# Altium PCB HIVE_BOARD_PCB ASCII REV Project_PCB_Rev.Project_SCH_Rev.PcbDoc (part 5 of 9) (continued)
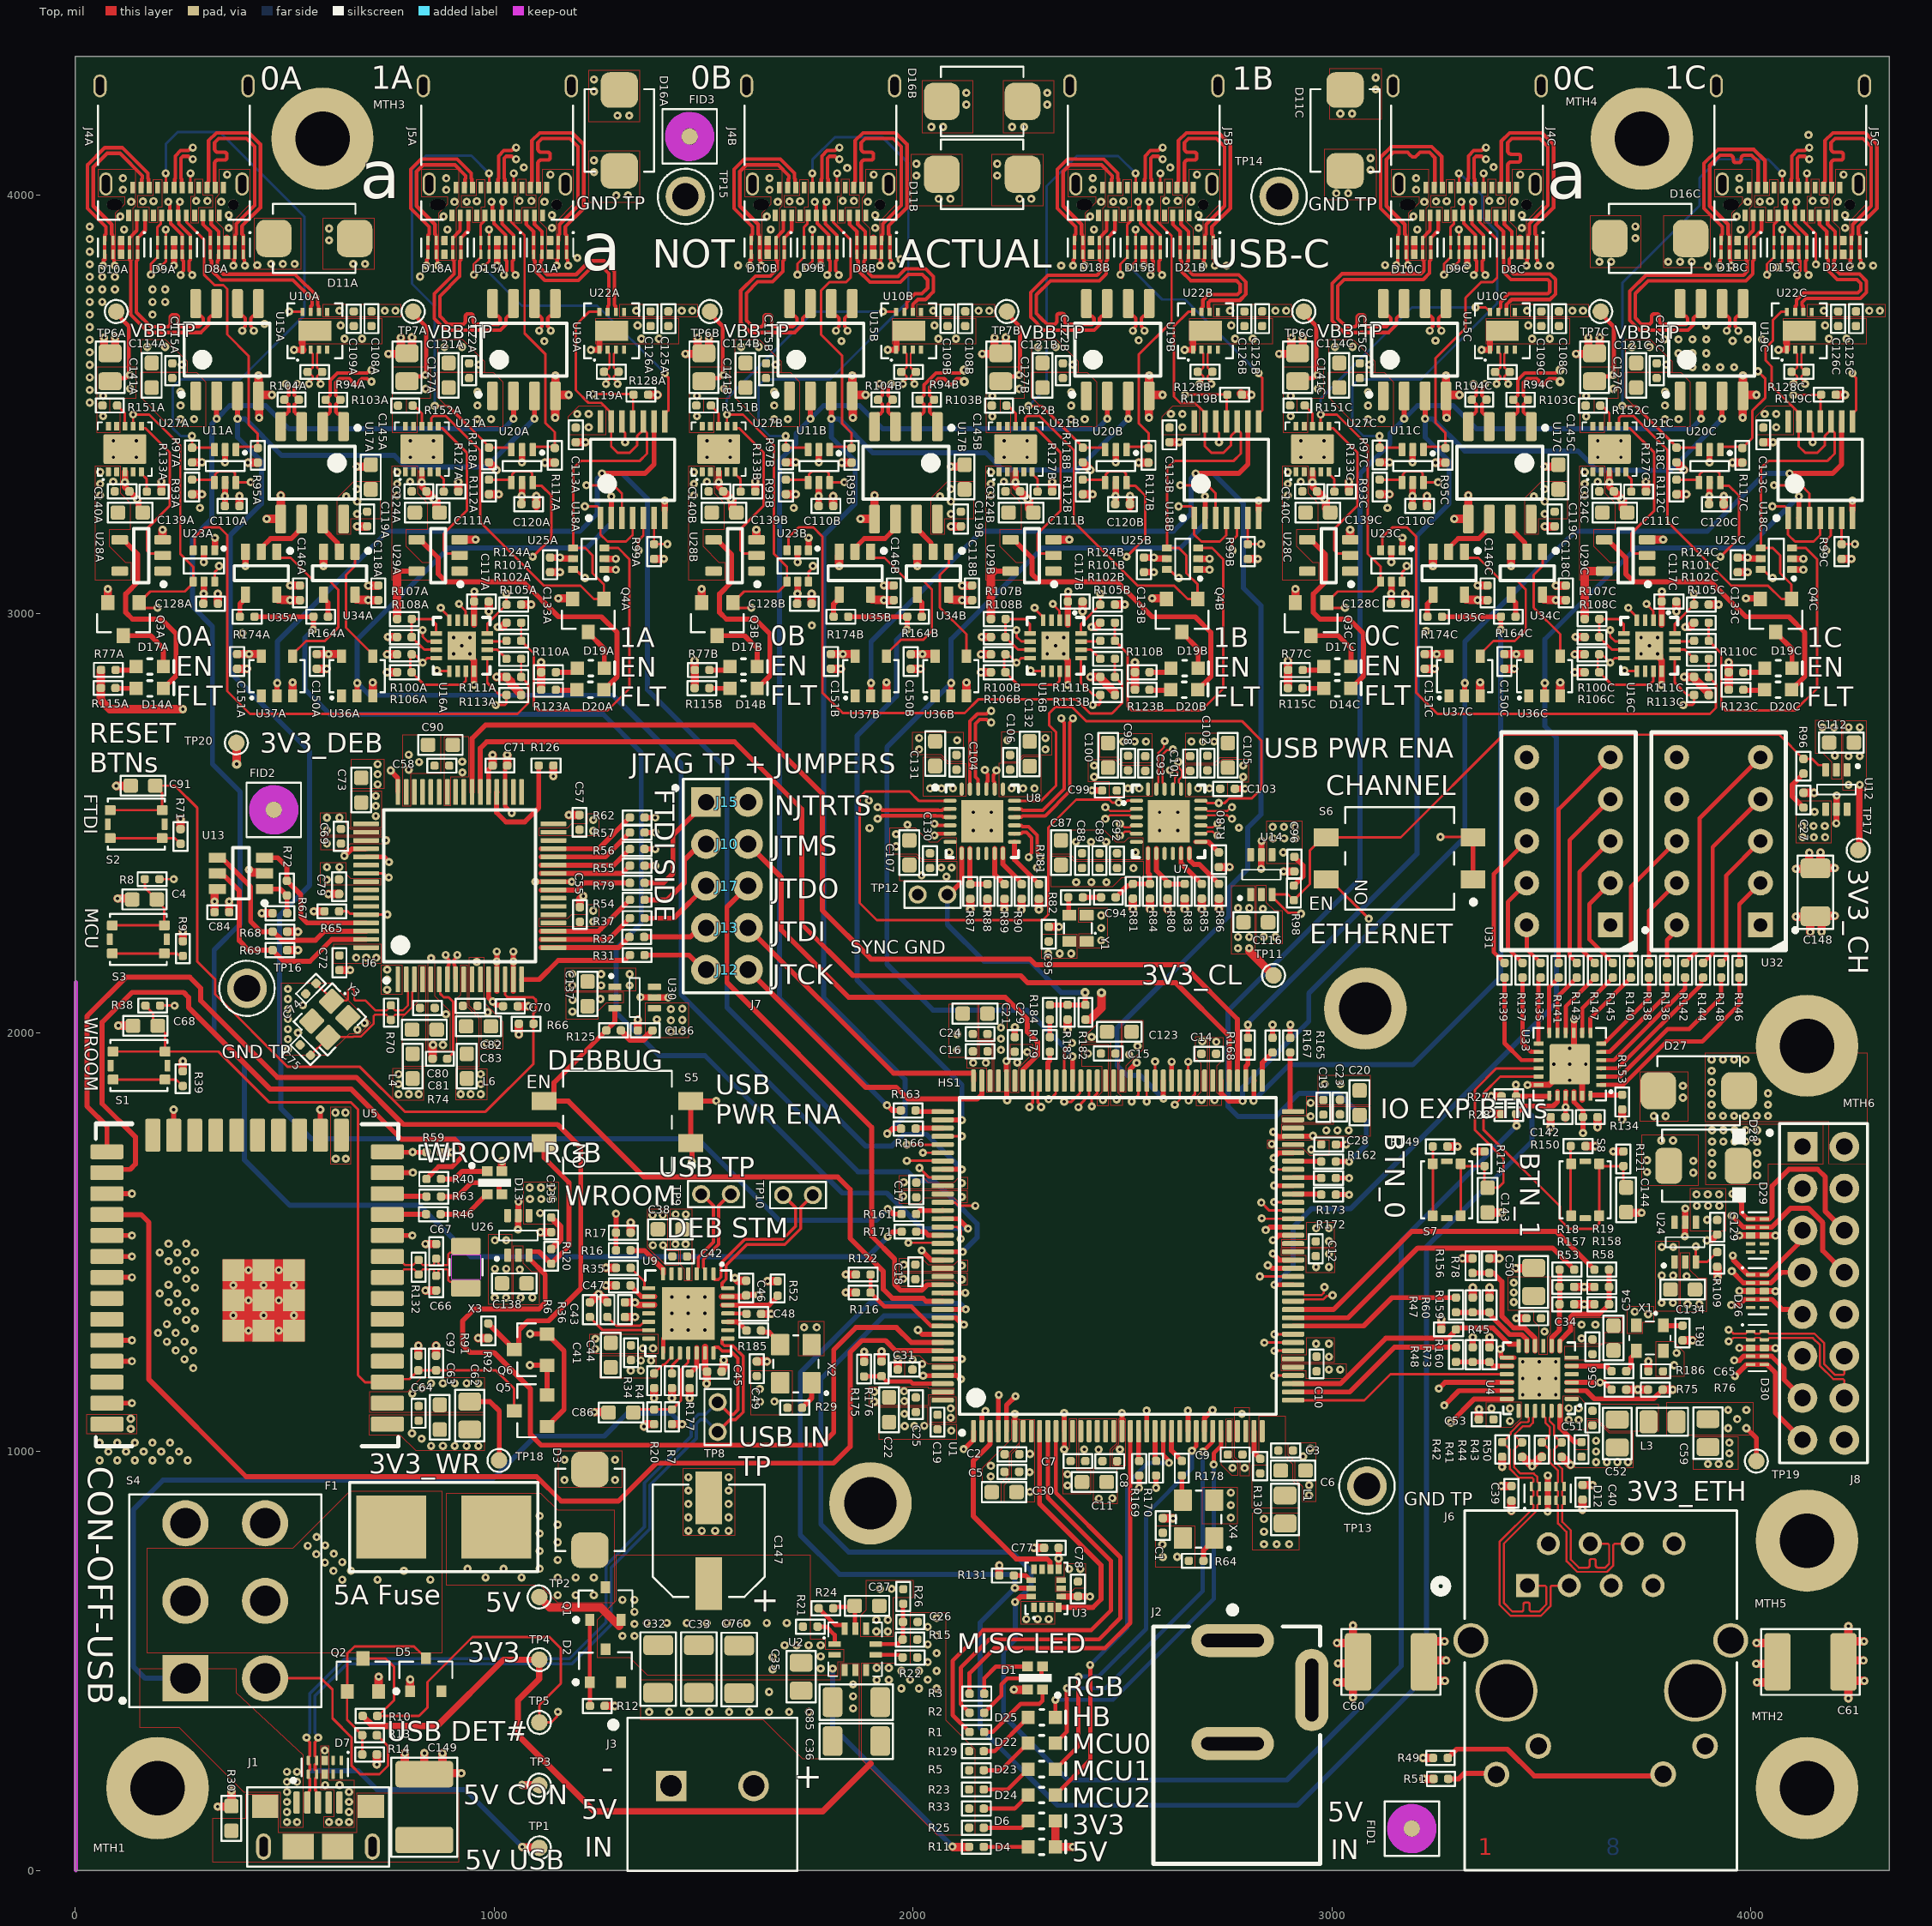
[diagram p0: Top view]
## Nets (pads, with @x,y where several pads share a name; then routed paths per layer and width w, separated by ;. In a path a pad name is that pad's centre, name@x,y a point inside that pad or via, vN(x,y) a via of type N, cw(c..) or ccw(c..) an arc to the next point about the centre after c; other vN are vias at no path point) (continued)
CLK_0A_N: R94A.1 U7.4 U10A.2 | length 3459.6
  Top w5: R94A.1@554.84,3577 R94A.1@556.73,3577 ; v1(558.51,3548.24) 558.51,3550.67 567.34,3559.49 567.34,3566.57 564.41,3569.5 564.23,3569.5 R94A.1@556.73,3577 ; U10A.2@562.45,3629.95 562.45,3625.03 567.3,3620.19 567.3,3598.49 567.34,3598.46 567.34,3587.43 564.41,3584.5 564.23,3584.5 R94A.1@556.73,3577 ; v1(2494.01,2498.59) 2496.44,2498.59 2505.27,2489.76 2517.44,2489.76 2522.28,2494.61 U7.4@2533.62,2494.61
  Signal_1 w4: v1(558.51,3548.24) 558.51,3550.6 566.34,3558.42 566.34,3577.34 578.9,3589.91 603.67,3589.91 625.21,3568.37 625.21,3446.22 528.15,3349.16 528.15,3187.58 456.46,3115.89 456.46,2944.95 704.08,2697.34 1559.08,2697.34 1633.89,2622.52 1671.35,2585.06 1671.35,2411.86 1785.31,2297.9 2097.29,2297.9 2167.79,2368.39 2167.79,2414.91 2243.64,2490.76 2482.84,2490.76 2490.67,2498.59 v1(2494.01,2498.59)
CLK_0A_P: R94A.2 U7.5 U10A.3 | length 3459.6
  Top w5: U10A.3@582.14,3629.95 582.14,3625.03 577.3,3620.19 577.3,3602.64 577.34,3602.6 577.34,3587.43 580.26,3584.5 580.44,3584.5 R94A.2@587.94,3577 ; v1@586.16,3550.67 577.34,3559.49 577.34,3566.57 580.26,3569.5 580.44,3569.5 R94A.2@587.94,3577 ; R94A.2@589.84,3577 R94A.2@587.94,3577 ; v1(2494.01,2470.94) 2496.44,2470.94 2505.27,2479.76 2517.44,2479.76 2522.28,2474.92 U7.5@2533.62,2474.92
  Signal_1 w4: v1(586.16,3548.24) 586.16,3550.6 578.34,3558.42 578.34,3572.37 583.88,3577.91 598.7,3577.91 613.21,3563.4 613.21,3545.01 613.21,3532.91 cw(c609.01,3532.91) 609.01,3528.71 602.65,3528.71 ccw(c602.65,3524.51) 598.45,3524.51 598.45,3518.91 ccw(c602.65,3518.91) 602.65,3514.71 609.01,3514.71 cw(c609.01,3510.51) 613.21,3510.51 613.21,3508.51 613.21,3451.19 516.15,3354.13 516.15,3192.55 444.46,3120.86 444.46,2939.98 699.11,2685.34 1554.1,2685.34 1616.92,2622.52 1625.41,2614.04 1659.35,2580.09 1659.35,2406.89 1780.34,2285.9 2102.26,2285.9 2120.3,2303.94 2179.79,2363.42 2179.79,2409.94 2248.61,2478.76 2482.84,2478.76 2490.67,2470.94 v1(2494.01,2470.94)
CLK_0B_N: R94B.1 U7.2 U10B.2 | length 3459.6
  Top w5: R94B.1@1972.16,3577 R94B.1@1974.05,3577 ; v1(1975.83,3548.24) 1975.83,3550.67 1984.66,3559.49 1984.66,3566.57 1981.73,3569.5 1981.55,3569.5 R94B.1@1974.05,3577 ; U10B.2@1979.78,3629.95 1979.78,3625.03 1984.62,3620.19 1984.62,3598.49 1984.66,3598.46 1984.66,3587.43 1981.73,3584.5 1981.55,3584.5 R94B.1@1974.05,3577 ; v1(2459.31,2537.96) 2461.74,2537.96 2470.57,2529.13 2517.44,2529.13 2522.28,2533.98 U7.2@2533.62,2533.98
  Signal_1 w4: 1866.83,3429.99 1858.97,3422.13 ccw(c1864.88,3416.16) 1858.92,3410.24 1921.74,3347.42 ; 1866.85,3430.01 cw(c1872.8,3424.08) 1878.77,3430 1943.61,3365.15 ccw(c1958.08,3379.54) 1972.52,3365.13 1980.41,3373.02 ccw(c1966,3387.46) 1982.18,3399.88 1982.18,3400.12 1917.09,3465.21 ; 1917.08,3465.22 cw(c1923.01,3471.17) 1917.08,3477.13 ; 1917.1,3477.14 1924.96,3485 ; 1921.74,3318.51 1916.12,3312.89 1901.73,3298.5 1871.5,3298.5 1856.93,3283.93 1856.93,3268.98 1864.64,3261.27 1965.69,3261.27 1994.72,3232.25 1994.72,3152.68 1962.04,3120 1919.2,3120 1853.2,3186 1820.97,3186 1796.01,3161.04 1796.01,3098.39 1796.01,3090.39 ccw(c1804.41,3090.39) 1804.41,3081.99 1886.78,3081.99 cw(c1886.78,3061.59) 1907.18,3061.59 1907.18,3050.39 cw(c1886.78,3050.39) 1886.78,3029.99 1804.41,3029.99 ccw(c1804.41,3021.59) 1796.01,3021.59 1796.01,2992.38 1796.01,2985.17 1874.85,2906.33 1874.85,2598.89 1885.51,2588.23 1890.39,2588.23 1898.39,2588.23 ccw(c1898.39,2596.63) 1906.79,2596.63 1906.79,2789.14 cw(c1927.19,2789.14) 1927.19,2809.54 1938.39,2809.54 cw(c1938.39,2789.14) 1958.79,2789.14 1958.79,2596.63 ccw(c1967.19,2596.63) 1967.19,2588.23 1992.95,2588.23 2065.55,2660.83 2259.17,2660.83 2389.87,2530.13 2448.14,2530.13 2455.97,2537.96 v1(2459.31,2537.96) ; 1921.75,3318.52 ccw(c1907.35,3332.97) 1921.75,3347.42 ; 1924.98,3485.02 cw(c1930.93,3479.09) 1936.87,3485.03 1998.14,3423.76 ccw(c2012.57,3438.19) 2027.02,3423.79 2039.32,3436.1 ccw(c2035.1,3440.36) 2039.36,3436.13 2041.83,3438.6 2041.83,3444.94 2041.83,3571.28 2032.72,3580.39 2029.21,3583.91 1999.78,3583.91 1983.66,3567.79 1983.66,3558.42 1975.83,3550.6 v1(1975.83,3548.24)
CLK_0B_P: R94B.2 U7.3 U10B.3 | length 3459.5
  Top w5: U10B.3@1999.46,3629.95 1999.46,3625.03 1994.62,3620.19 1994.62,3602.64 1994.66,3602.6 1994.66,3587.43 1997.59,3584.5 1997.76,3584.5 R94B.2@2005.26,3577 ; v1@2003.49,3550.67 1994.66,3559.49 1994.66,3566.57 1997.59,3569.5 1997.76,3569.5 R94B.2@2005.26,3577 ; R94B.2@2007.16,3577 R94B.2@2005.26,3577 ; v1(2459.31,2510.31) 2461.74,2510.31 2470.57,2519.13 2517.44,2519.13 2522.28,2514.29 U7.3@2533.62,2514.29
  Signal_1 w4: 1850.49,3401.7 cw(c1864.88,3416.16) 1850.47,3430.6 1858.36,3438.49 cw(c1872.8,3424.08) 1885.22,3440.27 1885.47,3440.27 1887.21,3438.52 ; 1850.5,3401.7 1913.26,3338.94 cw(c1907.35,3332.97) 1913.3,3327.04 ; 1887.24,3438.5 1952.16,3373.58 ccw(c1958.08,3379.54) 1964.03,3373.61 ; 1913.26,3327 1907.63,3321.37 1896.76,3310.5 1866.53,3310.5 1844.93,3288.9 1844.93,3264.01 1859.67,3249.27 1960.72,3249.27 1982.72,3227.28 1982.72,3157.65 1957.07,3132 1924.17,3132 1858.17,3198 1816,3198 1784.01,3166.01 1784.01,3098.39 1784.01,3090.39 ccw(c1804.41,3090.39) 1804.41,3069.99 1886.78,3069.99 cw(c1886.78,3061.59) 1895.18,3061.59 1895.18,3050.39 cw(c1886.78,3050.39) 1886.78,3041.99 1804.41,3041.99 ccw(c1804.41,3021.59) 1784.01,3021.59 1784.01,2992.38 1784.01,2980.2 1862.85,2901.36 1862.85,2593.92 1880.54,2576.23 1890.39,2576.23 1898.39,2576.23 ccw(c1898.39,2596.63) 1918.79,2596.63 1918.79,2789.14 cw(c1927.19,2789.14) 1927.19,2797.54 1938.39,2797.54 cw(c1938.39,2789.14) 1946.79,2789.14 1946.79,2596.63 ccw(c1967.19,2596.63) 1967.19,2576.23 1992.95,2576.23 1997.92,2576.23 2070.52,2648.83 2254.2,2648.83 2384.9,2518.13 2448.14,2518.13 2455.97,2510.31 v1(2459.31,2510.31) ; 1964.05,3373.63 1971.91,3381.48 ccw(c1966,3387.46) 1971.91,3393.42 1908.58,3456.75 cw(c1923.01,3471.17) 1908.6,3485.61 1916.49,3493.5 cw(c1930.93,3479.09) 1945.36,3493.51 2006.6,3432.27 ; v1(2003.49,3548.24) 2003.49,3550.6 1995.66,3558.42 1995.66,3562.82 2004.75,3571.91 2024.24,3571.91 2029.83,3566.31 2029.83,3537.88 2029.83,3521.88 cw(c2025.63,3521.88) 2025.63,3517.68 2019.3,3517.68 ccw(c2019.3,3513.48) 2015.1,3513.48 2015.1,3507.88 ccw(c2019.3,3507.88) 2019.3,3503.68 2025.63,3503.68 cw(c2025.63,3499.48) 2029.83,3499.48 2029.83,3489.13 2029.83,3456.94 2029.83,3443.57 2018.54,3432.28 cw(c2012.57,3438.19) 2006.61,3432.26
CLK_0C_N: R94C.1 U7.22 U10C.2 | length 3460.1
  Top w5: U7.22@2600.55,2581.22 2600.55,2592.55 2595.7,2597.4 2595.7,2663.91 2606.31,2674.52 2618.79,2674.52 v1(2620.51,2676.24) ; R94C.1@3389.48,3577 R94C.1@3391.38,3577 ; v1(3393.15,3548.24) 3393.15,3550.67 3401.98,3559.49 3401.98,3566.57 3399.05,3569.5 3398.88,3569.5 R94C.1@3391.38,3577 ; U10C.2@3397.1,3629.95 3397.1,3625.03 3401.94,3620.19 3401.94,3598.49 3401.98,3598.46 3401.98,3587.43 3399.05,3584.5 3398.88,3584.5 R94C.1@3391.38,3577
  Signal_1 w4: v1(2620.51,2676.24) 2622.88,2678.6 2622.88,2689.67 2673.07,2739.86 2816.62,2739.86 2824.62,2739.86 ccw(c2824.62,2760.26) 2845.02,2760.26 2845.02,2812.03 cw(c2853.42,2812.03) 2853.42,2820.43 2864.62,2820.43 cw(c2864.62,2812.03) 2873.02,2812.03 2873.02,2679.62 ccw(c2893.42,2679.62) 2893.42,2659.22 2904.62,2659.22 ccw(c2904.62,2679.62) 2925.02,2679.62 2925.02,2812.03 cw(c2933.42,2812.03) 2933.42,2820.43 2944.62,2820.43 cw(c2944.62,2812.03) 2953.02,2812.03 2953.02,2679.62 ccw(c2973.42,2679.62) 2973.42,2659.22 2984.62,2659.22 ccw(c2984.62,2679.62) 3005.02,2679.62 3005.02,2812.03 cw(c3013.42,2812.03) 3013.42,2820.43 3024.62,2820.43 cw(c3024.62,2812.03) 3033.02,2812.03 3033.02,2679.62 ccw(c3053.42,2679.62) 3053.42,2659.22 3064.62,2659.22 ccw(c3064.62,2679.62) 3085.02,2679.62 3085.02,2806.45 cw(c3093.42,2806.45) 3093.42,2814.85 3104.62,2814.85 cw(c3104.62,2806.45) 3113.02,2806.45 3113.02,2760.26 ccw(c3133.42,2760.26) 3133.42,2739.86 3164.81,2739.86 3176.5,2739.86 3293.91,2857.27 3293.91,3069.93 3459.15,3235.17 3459.15,3298.61 3459.15,3306.61 ccw(c3438.75,3306.61) 3438.75,3327.01 3314.49,3327.01 cw(c3314.49,3335.41) 3306.09,3335.41 3306.09,3346.61 cw(c3314.49,3346.61) 3314.49,3355.01 3442.63,3355.01 ccw(c3442.63,3375.41) 3463.03,3375.41 3463.03,3386.61 ccw(c3442.63,3386.61) 3442.63,3407.01 3314.49,3407.01 cw(c3314.49,3415.41) 3306.09,3415.41 3306.09,3426.61 cw(c3314.49,3426.61) 3314.49,3435.01 3438.75,3435.01 ccw(c3438.75,3455.41) 3459.15,3455.41 3459.15,3483.83 3459.15,3579.82 3439.97,3599 3414.03,3599 3400.98,3585.95 3400.98,3558.42 3393.15,3550.6 v1(3393.15,3548.24)
CLK_0C_P: R94C.2 U7.23 U10C.3 | length 3460.1
  Top w5: U7.23@2580.86,2581.22 2580.86,2592.55 2585.7,2597.4 2585.7,2668.06 2599.24,2681.59 2599.24,2694.07 v1(2600.96,2695.79) ; U10C.3@3416.79,3629.95 3416.79,3625.03 3411.94,3620.19 3411.94,3602.64 3411.98,3602.6 3411.98,3587.43 3414.91,3584.5 3415.09,3584.5 R94C.2@3422.59,3577 ; v1@3420.81,3550.67 3411.98,3559.49 3411.98,3566.57 3414.91,3569.5 3415.09,3569.5 R94C.2@3422.59,3577 ; R94C.2@3424.48,3577 R94C.2@3422.59,3577
  Signal_1 w4: v1(2600.96,2695.79) 2603.32,2698.16 2614.39,2698.16 2668.1,2751.86 2816.62,2751.86 2824.62,2751.86 ccw(c2824.62,2760.26) 2833.02,2760.26 2833.02,2812.03 cw(c2853.42,2812.03) 2853.42,2832.43 2864.62,2832.43 cw(c2864.62,2812.03) 2885.02,2812.03 2885.02,2679.62 ccw(c2893.42,2679.62) 2893.42,2671.22 2904.62,2671.22 ccw(c2904.62,2679.62) 2913.02,2679.62 2913.02,2812.03 cw(c2933.42,2812.03) 2933.42,2832.43 2944.62,2832.43 cw(c2944.62,2812.03) 2965.02,2812.03 2965.02,2679.62 ccw(c2973.42,2679.62) 2973.42,2671.22 2984.62,2671.22 ccw(c2984.62,2679.62) 2993.02,2679.62 2993.02,2812.03 cw(c3013.42,2812.03) 3013.42,2832.43 3024.62,2832.43 cw(c3024.62,2812.03) 3045.02,2812.03 3045.02,2679.62 ccw(c3053.42,2679.62) 3053.42,2671.22 3064.62,2671.22 ccw(c3064.62,2679.62) 3073.02,2679.62 3073.02,2806.45 cw(c3093.42,2806.45) 3093.42,2826.85 3104.62,2826.85 cw(c3104.62,2806.45) 3125.02,2806.45 3125.02,2760.26 ccw(c3133.42,2760.26) 3133.42,2751.86 3164.81,2751.86 3171.53,2751.86 3245.61,2825.94 3281.91,2862.24 3281.91,3074.9 3447.15,3240.14 3447.15,3298.61 3447.15,3306.61 ccw(c3438.75,3306.61) 3438.75,3315.01 3314.49,3315.01 cw(c3314.49,3335.41) 3294.09,3335.41 3294.09,3346.61 cw(c3314.49,3346.61) 3314.49,3367.01 3442.63,3367.01 ccw(c3442.63,3375.41) 3451.03,3375.41 3451.03,3386.61 ccw(c3442.63,3386.61) 3442.63,3395.01 3314.49,3395.01 cw(c3314.49,3415.41) 3294.09,3415.41 3294.09,3426.61 cw(c3314.49,3426.61) 3314.49,3447.01 3438.75,3447.01 ccw(c3438.75,3455.41) 3447.15,3455.41 3447.15,3483.83 3447.15,3505.46 3447.15,3507.46 ccw(c3442.95,3507.46) 3442.95,3511.66 3425.82,3511.66 cw(c3425.82,3515.86) 3421.62,3515.86 3421.62,3521.46 cw(c3425.82,3521.46) 3425.82,3525.66 3442.95,3525.66 ccw(c3442.95,3529.86) 3447.15,3529.86 3447.15,3540.91 3447.15,3574.85 3435,3587 3419,3587 3412.98,3580.98 3412.98,3558.42 3420.81,3550.6 v1(3420.81,3548.24)
CLK_1A_N: R128A.1 U7.20 U22A.2 | length 3459.9
  Top w5: R128A.1@1263.5,3577 R128A.1@1265.39,3577 ; v1(1267.17,3548.24) 1267.17,3550.67 1276,3559.49 1276,3566.57 1273.07,3569.5 1272.89,3569.5 R128A.1@1265.39,3577 ; U22A.2@1271.12,3629.95 1271.12,3625.03 1275.96,3620.19 1275.96,3598.49 1276,3598.46 1276,3587.43 1273.07,3584.5 1272.89,3584.5 R128A.1@1265.39,3577 ; v1(2633.18,2646.17) 2634.9,2644.45 2634.9,2631.97 2641.96,2624.91 2641.96,2611.35 2635.07,2604.47 2635.07,2597.4 2639.92,2592.55 U7.20@2639.92,2581.22
  Signal_1 w4: 1266.09,3884.56 1264.35,3886.3 1264.1,3886.3 ccw(c1251.68,3870.12) 1237.24,3884.53 1229.35,3876.64 ccw(c1243.76,3862.2) 1229.37,3847.74 1308.05,3769.06 cw(c1302.14,3763.09) 1308.09,3757.16 1302.42,3751.49 1274,3723.07 1274,3558.42 1267.17,3551.59 v1(1267.17,3548.24) ; 1266.12,3884.53 1345.42,3805.23 ccw(c1351.34,3811.19) 1357.29,3805.26 ; 1285.94,3904.31 cw(c1300.33,3918.77) 1285.92,3933.21 1293.81,3941.1 cw(c1308.25,3926.69) 1320.67,3942.87 1320.92,3942.87 1322.66,3941.12 ; 1285.95,3904.3 1365.15,3825.09 cw(c1359.26,3819.11) 1365.18,3813.16 1357.31,3805.28 ; 1322.69,3941.1 1401.39,3862.4 ; 1401.4,3862.39 ccw(c1407.36,3868.31) 1413.32,3862.39 1448.34,3897.41 cw(c1452.6,3893.19) 1448.38,3897.45 1450.32,3899.39 1457.71,3899.39 1788.3,3899.39 1810.12,3877.57 1985.92,3877.57 2006.54,3856.95 2006.54,3685.28 2098.82,3593 2098.82,3422.41 2044.91,3368.5 2044.91,3142.99 2072.1,3115.81 2072.1,2798.58 2159.15,2711.53 2198.2,2711.53 2213.38,2726.72 2239.75,2726.72 2264.93,2701.54 2281.62,2684.85 2307.16,2659.31 2325.2,2659.31 2334.25,2668.37 2599.91,2668.37 2619.75,2648.53 2630.82,2648.53 v1(2633.18,2646.17)
CLK_1A_P: R128A.2 U7.21 U22A.3 | length 3459.3
  Top w5: U22A.3@1290.8,3629.95 1290.8,3625.03 1285.96,3620.19 1285.96,3602.64 1286,3602.6 1286,3587.43 1288.93,3584.5 1289.1,3584.5 R128A.2@1296.6,3577 ; v1@1294.82,3550.67 1286,3559.49 1286,3566.57 1288.93,3569.5 1289.1,3569.5 R128A.2@1296.6,3577 ; R128A.2@1298.5,3577 R128A.2@1296.6,3577 ; v1(2613.63,2626.61) 2615.35,2624.89 2627.83,2624.89 2631.96,2620.77 2631.96,2615.49 2625.07,2608.61 2625.07,2597.4 2620.23,2592.55 U7.21@2620.23,2581.22
  Signal_1 w4: 1237.84,3868.15 ccw(c1243.76,3862.2) 1237.81,3856.28 1316.53,3777.55 cw(c1302.14,3763.09) 1316.54,3748.64 1310.91,3743.01 1286,3718.1 1286,3627.01 1286,3611.99 ccw(c1290.2,3611.99) 1290.2,3607.79 1305.26,3607.79 cw(c1305.26,3603.59) 1309.46,3603.59 1309.46,3597.99 cw(c1305.26,3597.99) 1305.26,3593.79 1290.2,3593.79 ccw(c1290.2,3589.59) 1286,3589.59 1286,3573.59 1286,3559.42 1294.82,3550.6 v1(1294.82,3548.24) ; 1237.85,3868.17 1245.71,3876.03 cw(c1251.68,3870.12) 1257.65,3876.03 1336.87,3796.81 ccw(c1351.34,3811.19) 1365.78,3796.78 1373.67,3804.67 ccw(c1359.26,3819.11) 1375.44,3831.53 1375.44,3831.78 1373.7,3833.52 ; 1302.28,3932.59 1294.42,3924.74 ccw(c1300.33,3918.77) 1294.37,3912.84 1373.67,3833.55 ; 1302.3,3932.61 cw(c1308.25,3926.69) 1314.22,3932.6 1392.89,3853.92 ccw(c1407.36,3868.31) 1421.81,3853.91 ; 1421.81,3853.91 1455.29,3887.39 1459.22,3887.39 1783.33,3887.39 1805.15,3865.57 1980.13,3865.57 1994.54,3851.16 1994.54,3680.31 2086.82,3588.03 2086.82,3427.38 2032.91,3373.47 2032.91,3138.02 2060.1,3110.84 2060.1,2793.61 2154.18,2699.53 2203.17,2699.53 2218.36,2714.72 2234.78,2714.72 2252.93,2696.57 2268.89,2680.61 2302.19,2647.31 2330.17,2647.31 2339.23,2656.37 2594.94,2656.37 2611.26,2640.04 2611.26,2628.98 v1(2613.63,2626.61)
CLK_1B_N: R128B.1 U7.16 U22B.2 | length 3460.1
  Top w5: R128B.1@2680.82,3577 R128B.1@2682.71,3577 ; v1(2684.49,3548.24) 2684.49,3550.67 2693.32,3559.49 2693.32,3566.57 2690.39,3569.5 2690.21,3569.5 R128B.1@2682.71,3577 ; U7.16@2687.16,2514.29 2698.5,2514.29 2703.34,2519.13 2750.21,2519.13 2759.04,2510.31 v1(2761.47,2510.31) ; U22B.2@2688.44,3629.95 2688.44,3625.03 2693.28,3620.19 2693.28,3598.49 2693.32,3598.46 2693.32,3587.43 2690.39,3584.5 2690.21,3584.5 R128B.1@2682.71,3577
  Signal_1 w4: v1(2684.49,3548.24) 2684.49,3550.92 2692.32,3558.74 2692.32,3744.72 2821.33,3873.73 3037.85,3873.73 3064.95,3900.82 3326.79,3900.82 3340.41,3887.19 3531.85,3887.19 3550.28,3868.76 3550.28,3639.8 3529.76,3619.28 3505.55,3619.28 3490.49,3604.22 3490.49,3547.38 3532.97,3504.89 3537.22,3500.65 3547.41,3490.45 3547.41,3242.34 3547.41,3234.34 ccw(c3555.81,3234.34) 3555.81,3225.94 3631.22,3225.94 cw(c3631.22,3205.54) 3651.62,3205.54 3651.61,3194.34 cw(c3631.22,3194.34) 3631.22,3173.94 3555.81,3173.94 ccw(c3555.81,3165.54) 3547.41,3165.54 3547.41,3132.84 3547.41,3105.86 3476.43,3034.88 3476.43,2856.56 3405.81,2785.94 3312.06,2785.94 3044.25,2518.13 2772.64,2518.13 2764.81,2510.31 v1(2761.47,2510.31)
CLK_1B_P: R128B.2 U7.17 U22B.3 | length 3460.1
  Top w5: U7.17@2687.16,2533.98 2698.5,2533.98 2703.34,2529.13 2750.21,2529.13 2759.04,2537.96 v1(2761.47,2537.96) ; U22B.3@2708.12,3629.95 2708.12,3625.03 2703.28,3620.19 2703.28,3602.64 2703.32,3602.6 2703.32,3587.43 2706.25,3584.5 2706.43,3584.5 R128B.2@2713.93,3577 ; v1@2712.15,3550.67 2703.32,3559.49 2703.32,3566.57 2706.25,3569.5 2706.43,3569.5 R128B.2@2713.93,3577 ; R128B.2@2715.82,3577 R128B.2@2713.93,3577
  Signal_1 w4: v1(2712.15,3548.24) 2712.15,3550.6 2704.32,3558.42 2704.32,3566.98 2704.32,3582.98 cw(c2708.52,3582.98) 2708.52,3587.18 2734.76,3587.18 ccw(c2734.76,3591.38) 2738.96,3591.38 2738.96,3596.98 ccw(c2734.76,3596.98) 2734.76,3601.18 2708.52,3601.18 cw(c2708.52,3605.38) 2704.32,3605.38 2704.32,3616.01 2704.32,3739.75 2826.3,3861.73 3044.76,3861.73 3071.85,3888.82 3321.82,3888.82 3335.44,3875.19 3526.88,3875.19 3538.28,3863.79 3538.28,3644.78 3524.79,3631.28 3500.58,3631.28 3478.49,3609.19 3478.49,3542.41 3535.41,3485.48 3535.41,3242.34 3535.41,3234.34 ccw(c3555.81,3234.34) 3555.81,3213.94 3631.22,3213.94 cw(c3631.22,3205.54) 3639.62,3205.54 3639.61,3194.34 cw(c3631.22,3194.34) 3631.22,3185.94 3555.81,3185.94 ccw(c3555.81,3165.54) 3535.41,3165.54 3535.41,3132.84 3535.41,3110.84 3464.43,3039.85 3464.43,2861.53 3400.84,2797.94 3307.09,2797.94 3039.28,2530.13 2772.64,2530.13 2764.81,2537.96 v1(2761.47,2537.96)
CLK_1C_N: R128C.1 U7.14 U22C.2 | length 3460.1
  Top w5: U7.14@2687.16,2474.92 2698.5,2474.92 2703.34,2479.76 2715.51,2479.76 2724.34,2470.94 v1(2726.77,2470.94) ; R128C.1@4098.14,3577 R128C.1@4100.04,3577 ; v1(4101.82,3548.24) 4101.82,3550.67 4110.64,3559.49 4110.64,3566.57 4107.71,3569.5 4107.54,3569.5 R128C.1@4100.04,3577 ; U22C.2@4105.76,3629.95 4105.76,3625.03 4110.6,3620.19 4110.6,3598.49 4110.64,3598.46 4110.64,3587.43 4107.71,3584.5 4107.54,3584.5 R128C.1@4100.04,3577
  Signal_1 w4: v1(2726.77,2470.94) 2730.11,2470.94 2737.94,2478.76 2742.74,2478.76 2757,2464.5 2757,2441.34 2743.95,2428.29 2659.44,2428.29 2625.6,2394.45 2625.6,2358.4 2660.51,2323.49 2942.77,2323.49 3325.3,2706.01 3815.81,2706.01 3996.11,2886.31 4001.74,2891.94 ccw(c3987.34,2906.39) 4001.74,2920.84 3961.38,2961.21 cw(c3967.33,2967.13) 3961.41,2973.08 3969.28,2980.96 ; 3969.3,2980.98 cw(c3975.25,2975.05) 3981.22,2980.96 ; 3981.23,2980.95 4024.29,2937.89 ; 4024.3,2937.88 ccw(c4038.76,2952.27) 4053.2,2937.86 4061.09,2945.75 ccw(c4046.68,2960.19) 4062.86,2972.61 4062.86,2972.86 4027.44,3008.28 cw(c4033.36,3014.24) 4027.43,3020.2 ; 4027.45,3020.21 4035.31,3028.07 cw(c4041.28,3022.16) 4047.22,3028.1 4078.11,2997.21 ccw(c4092.56,3011.61) 4107.01,2997.21 ; v1(4101.82,3548.24) 4101.82,3550.6 4109.64,3558.42 4109.64,3583.52 4131.09,3604.97 4173.08,3604.97 4197.53,3580.53 4197.53,3504.51 4213.41,3488.62 4213.41,3399.32 4213.41,3326.23 cw(c4193.01,3326.23) 4193.01,3305.83 4162.13,3305.83 ccw(c4162.13,3297.43) 4153.73,3297.43 4153.73,3286.23 ccw(c4162.13,3286.23) 4162.13,3277.83 4204.76,3277.83 cw(c4204.76,3257.43) 4225.16,3257.43 4225.16,3246.23 cw(c4204.76,3246.23) 4204.76,3225.83 4149.78,3225.83 ccw(c4149.78,3217.43) 4141.38,3217.43 4141.38,3206.23 ccw(c4149.78,3206.23) 4149.78,3197.83 4193.01,3197.83 cw(c4193.01,3177.43) 4213.41,3177.43 4213.41,3169.43 4213.41,3103.61 4178.97,3069.17 4173.33,3063.53 cw(c4169.07,3067.76) 4173.3,3063.5 4107.02,2997.21
CLK_1C_P: R128C.2 U7.15 U22C.3 | length 3460.1
  Top w5: U7.15@2687.16,2494.61 2698.5,2494.61 2703.34,2489.76 2715.51,2489.76 2724.34,2498.59 v1(2726.77,2498.59) ; U22C.3@4125.45,3629.95 4125.45,3625.03 4120.6,3620.19 4120.6,3602.64 4120.64,3602.6 4120.64,3587.43 4123.57,3584.5 4123.75,3584.5 R128C.2@4131.25,3577 ; v1@4129.47,3550.67 4120.64,3559.49 4120.64,3566.57 4123.57,3569.5 4123.75,3569.5 R128C.2@4131.25,3577 ; R128C.2@4133.14,3577 R128C.2@4131.25,3577
  Signal_1 w4: v1(2726.77,2498.59) 2730.11,2498.59 2737.94,2490.76 2747.71,2490.76 2769,2469.47 2769,2436.37 2748.92,2416.29 2664.41,2416.29 2637.6,2389.48 2637.6,2363.37 2665.48,2335.49 2937.8,2335.49 3320.33,2718.01 3810.84,2718.01 3987.63,2894.79 3993.25,2900.42 ccw(c3987.34,2906.39) 3993.26,2912.35 3952.95,2952.66 ; 3952.94,2952.67 cw(c3967.33,2967.13) 3952.92,2981.57 3960.81,2989.46 cw(c3975.25,2975.05) 3987.67,2991.23 3987.92,2991.23 3989.66,2989.49 4032.84,2946.32 ccw(c4038.76,2952.27) 4044.71,2946.35 ; 4044.73,2946.36 4052.59,2954.22 ; 4052.59,2966.16 cw(c4046.68,2960.19) 4052.6,2954.24 ; 4052.58,2966.17 4018.93,2999.82 cw(c4033.36,3014.24) 4018.95,3028.68 4026.84,3036.57 cw(c4041.28,3022.16) 4055.71,3036.58 ; 4055.73,3036.56 4086.6,3005.69 ; 4086.64,3005.65 ccw(c4092.56,3011.61) 4098.52,3005.69 4164.81,3071.98 cw(c4169.07,3067.76) 4164.85,3072.02 4170.49,3077.66 4201.41,3108.58 4201.41,3169.43 4201.41,3177.43 ccw(c4193.01,3177.43) 4193.01,3185.83 4149.78,3185.83 cw(c4149.78,3206.23) 4129.38,3206.23 4129.38,3217.43 cw(c4149.78,3217.43) 4149.78,3237.83 4204.76,3237.83 ccw(c4204.76,3246.23) 4213.16,3246.23 4213.16,3257.43 ccw(c4204.76,3257.43) 4204.76,3265.83 4162.13,3265.83 cw(c4162.13,3286.23) 4141.73,3286.23 4141.73,3297.43 cw(c4162.13,3297.43) 4162.13,3317.83 4193.01,3317.83 ccw(c4193.01,3326.23) 4201.41,3326.23 4201.41,3399.32 4201.41,3483.65 4185.53,3499.54 4185.53,3575.56 4168.11,3592.97 4166.11,3592.97 ccw(c4166.11,3588.77) 4161.91,3588.77 4161.91,3562.53 cw(c4157.71,3562.53) 4157.71,3558.33 4152.11,3558.33 cw(c4152.11,3562.53) 4147.91,3562.53 4147.91,3588.77 ccw(c4143.71,3588.77) 4143.71,3592.97 4136.07,3592.97 4121.64,3578.55 4121.64,3558.42 4129.47,3550.6 v1(4129.47,3548.24)
CLK_OE_0#: U1.88 U7.1 U8.1 | length 2268.5
  Top w6: U8.1@2088.74,2553.66 2087.81,2552.73 2014.76,2552.73 1991.81,2575.69 1886.69,2575.69 1873.03,2562.03 1873.03,2309.37 1913.64,2268.76 2309.72,2268.76 2323,2282.04 2323,2489.59 2389.41,2556 2469,2556 2475.87,2549.13 v1(2491.16,2549.13) 2506.74,2549.13 2511.28,2553.66 U7.1@2533.62,2553.66 ; v1(2522.23,1835.68) 2538.43,1851.89 U1.88@2538.43,1885.4
  Signal_2 w6: v1(2491.16,2549.13) 2521.45,2518.84 2521.45,2476.47 2586.97,2410.95 2586.97,2076.16 2491.41,1980.6 2491.41,1915.04 2522.23,1884.22 v1(2522.23,1835.68)
CLK_OE_1#: U1.87 U7.18 U8.18 | length 1948.5
  Top w5: v1@2558.12,1835.69 U1.87@2558.12,1885.4
  Top w6: U8.18@2243.21,2552.73 2305.05,2552.73 2341.17,2588.85 2341.17,2717.7 2325.38,2733.49 2325.38,2762.48 2340.52,2777.62 2379.5,2777.62 2381.1,2776.02 2413.33,2743.79 2785.05,2743.79 2831.76,2697.09 2831.76,2582.08 2808.67,2559 2755,2559 2744.32,2548.32 2730.32,2548.32 v1(2730,2548) 2703.34,2548 2697.68,2553.66 U7.18@2687.16,2553.66
  Signal_2 w5: v1(2558.13,1835.68) 2558,1835.81 2558,1996.17 2664.93,2103.1 2664.93,2310.28 2698.32,2343.67 2698.32,2516.32 v1(2730,2548)
DEB_PWR_EN: R125.2 S5.3 U1.132 U30.3 | length 1531
  Top w12: S5.3@1119.49,1836.34 S5.3@1127.36,1836.34 ; U30.3@1288.34,2058.29 1288.34,2025.74 R125.2@1267.93,2005.33 1143.02,1880.42 1143.02,1852 S5.3@1127.36,1836.34 ; U1.132@2070.91,1358.83 2031.44,1358.83 2024.27,1366 1950.88,1366 1929.32,1387.57 1929.32,1429.81 1850.08,1509.05 1850.08,1625.86 1820.72,1655.23 1358.66,1655.23 1177.55,1836.34 S5.3@1127.36,1836.34
EN_WROOM: C68.1 C97.2 Q5.3 R38.1 R91.1 S1.3 S1.4 U5.3 | length 1868.2
  Top w6: S1.4@90.76,1954.92 S1.3@214.77,1954.92 ; R38.1@167.99,2064.51 185.79,2046.71 185.79,2027.32 196.79,2016.32 C68.1@197.29,2016.32 197.79,2016.32 214.77,1999.34 S1.3@214.77,1954.92 ; Q5.3@1048.16,1097.36 1048.16,1150.39 1004.6,1193.94 R91.1@861.77,1193.94 C97.2@819.38,1193.94 798.41,1172.97 752.62,1172.97 U5.3@745.35,1165.7 691.99,1165.7 675.29,1182.39 675.29,1816.66 658.02,1833.94 463.24,1833.94 342.26,1954.92 S1.3@214.77,1954.92
ETH_GND: C60.1 C61.1 J6.13 J6.14 | length 265.7
  Top w20: C60.1@3244.87,547.02 v1@3269.07,547.02 ; C60.1@3245.58,452.98 v1@3269.77,452.98 ; C60.1@3248.4,501.58 v1@3272.59,501.58 ; v1@4013.14,493.47 C61.1@4038.16,493.47 ; v1(4013.49,543.22) 4013.74,542.97 4042.02,542.97 4063.52,521.48 4063.52,470.67 4042.02,449.18 v1(4014.19,449.18)
  other v1: 3269.77,452.78 4012.89,493.72 3272.59,501.39 3269.07,546.82
ETH_PWR_EN: R109.2 S6.4 U1.40 U24.3 | length 2902.8
  Top w6: v1(2862.46,1181.41) 2862.59,1181.54 2907.4,1181.54 U1.40@2907.53,1181.66 ; S6.4@2986.31,2365.96 2994.18,2365.96 3088.15,2271.99 v1(3088.15,2271.91) ; U24.3@3868.83,1452.71 v1(3868.8,1489.68) ; U24.3@3868.87,1452.68 3896.05,1452.68 R109.2@3919.67,1476.3
  Signal_1 w6: v1(2862.46,1181.41) 2749.22,1294.66 2749.22,1683.29 2941.8,1875.86 2941.8,2103.31 3005.73,2167.24 3088.15,2249.66 v1(3088.15,2271.91)
  Signal_2 w6: v1(2862.46,1181.41) 2956.23,1087.64 3218.64,1087.64 3332.1,1201.1 3389.31,1201.1 3439.17,1250.97 3811.37,1250.97 3897.1,1336.7 3897.1,1461.38 v1(3868.8,1489.68)
ETH_RX_N: D12.4 D12.7 J6.6 R44.1 U4.22 | length 630.3
  Top w5: R44.1@3501.14,1022.08 R44.1@3502.2,1022.08 ; U4.22@3504.69,1097.33 3504.69,1085.52 3509.54,1080.68 3509.54,1068.96 3519.82,1058.68 3519.82,1039.64 3502.26,1022.08 R44.1@3502.2,1022.08 ; J6.6@3716.72,780.07 3674.65,780.07 3671.72,777.14 3671.72,728.19 3656.52,713 3585.47,713 3560.21,738.25 3560.21,807.88 3556.28,811.81 3539.78,828.31 3539.78,871.99 3536.85,874.92 3536.38,874.92 3534.94,876.36 D12.4@3534.94,883.55 3534.94,890.73 3536.38,892.17 3536.85,892.17 3539.78,895.1 3539.78,904.87 3536.85,907.8 3536.38,907.8 3534.94,909.23 D12.7@3534.94,916.42 3534.94,923.6 3536.38,925.04 3536.85,925.04 3539.78,927.97 3539.78,954.8 3519.82,974.76 3519.82,1004.46 R44.1@3502.2,1022.08
ETH_RX_P: D12.5 D12.6 J6.4 R43.1 U4.23 | length 630.3
  Top w5: U4.23@3524.38,1097.33 3524.38,1085.52 3519.54,1080.68 3519.54,1073.1 3529.82,1062.82 3529.82,1039.64 3547.38,1022.08 R43.1@3547.44,1022.08 ; R43.1@3548.5,1022.08 R43.1@3547.44,1022.08 ; J6.4@3616.72,780.07 3658.79,780.07 3661.72,777.14 3661.72,732.33 3652.38,723 3634.88,723 cw(c3634.88,728) 3629.88,728 3629.88,739.15 ccw(c3625.38,739.15) 3625.38,743.65 3619.38,743.65 ccw(c3619.38,739.15) 3614.88,739.15 3614.88,728 cw(c3609.88,728) 3609.88,723 3593.12,723 3589.61,723 3570.21,742.39 3570.21,812.02 3549.78,832.45 3549.78,871.99 3552.71,874.92 3553.19,874.92 3554.63,876.36 D12.5@3554.63,883.55 3554.63,890.73 3553.19,892.17 3552.71,892.17 3549.78,895.1 3549.78,904.87 3552.71,907.8 3553.19,907.8 3554.63,909.23 D12.6@3554.63,916.42 3554.63,923.6 3553.19,925.04 3552.71,925.04 3549.78,927.97 3549.78,958.94 3529.82,978.9 3529.82,1004.46 R43.1@3547.44,1022.08
ETH_TX_N: D12.1 D12.10 J6.3 R42.1 U4.20 | length 827.2
  Top w5: R42.1@3406.43,1022.52 R42.1@3406.9,1022.52 ; U4.20@3465.32,1097.33 3465.32,1085.52 3470.17,1080.68 3470.17,1073.1 3467.24,1070.17 3451.26,1070.17 3427.18,1046.09 3427.18,1041.95 3407.75,1022.52 R42.1@3406.9,1022.52 ; J6.3@3566.72,680.07 3524.65,680.07 3521.72,677.14 3521.72,631.03 3498.76,608.07 3426.74,608.07 3400.06,634.76 3400.06,784.25 3480.73,864.92 3480.73,871.99 3477.8,874.92 3477.32,874.92 3475.89,876.36 D12.1@3475.89,883.55 3475.89,890.73 3477.32,892.17 3477.8,892.17 3480.73,895.1 3480.73,904.87 3477.8,907.8 3477.32,907.8 3475.89,909.23 D12.10@3475.89,916.42 3475.89,923.6 3480.73,928.45 3480.73,934.74 3477.8,937.67 3445.86,937.67 3425.11,958.43 3425.11,1004.31 R42.1@3406.9,1022.52